# Altium PCB PIC32MZ_cam.PcbDoc (part 2 of 4)
Units mm, origin at the board's own origin, x right, y up, seen from the top; angles counter-clockwise.
Board outline 61.35 x 22.68 mm, 2 copper layers (Top Layer, Bottom Layer); 224 components, 62 nets, 1546 pads, 748 vias.
Unrouted connection lines stored in the file: 95.
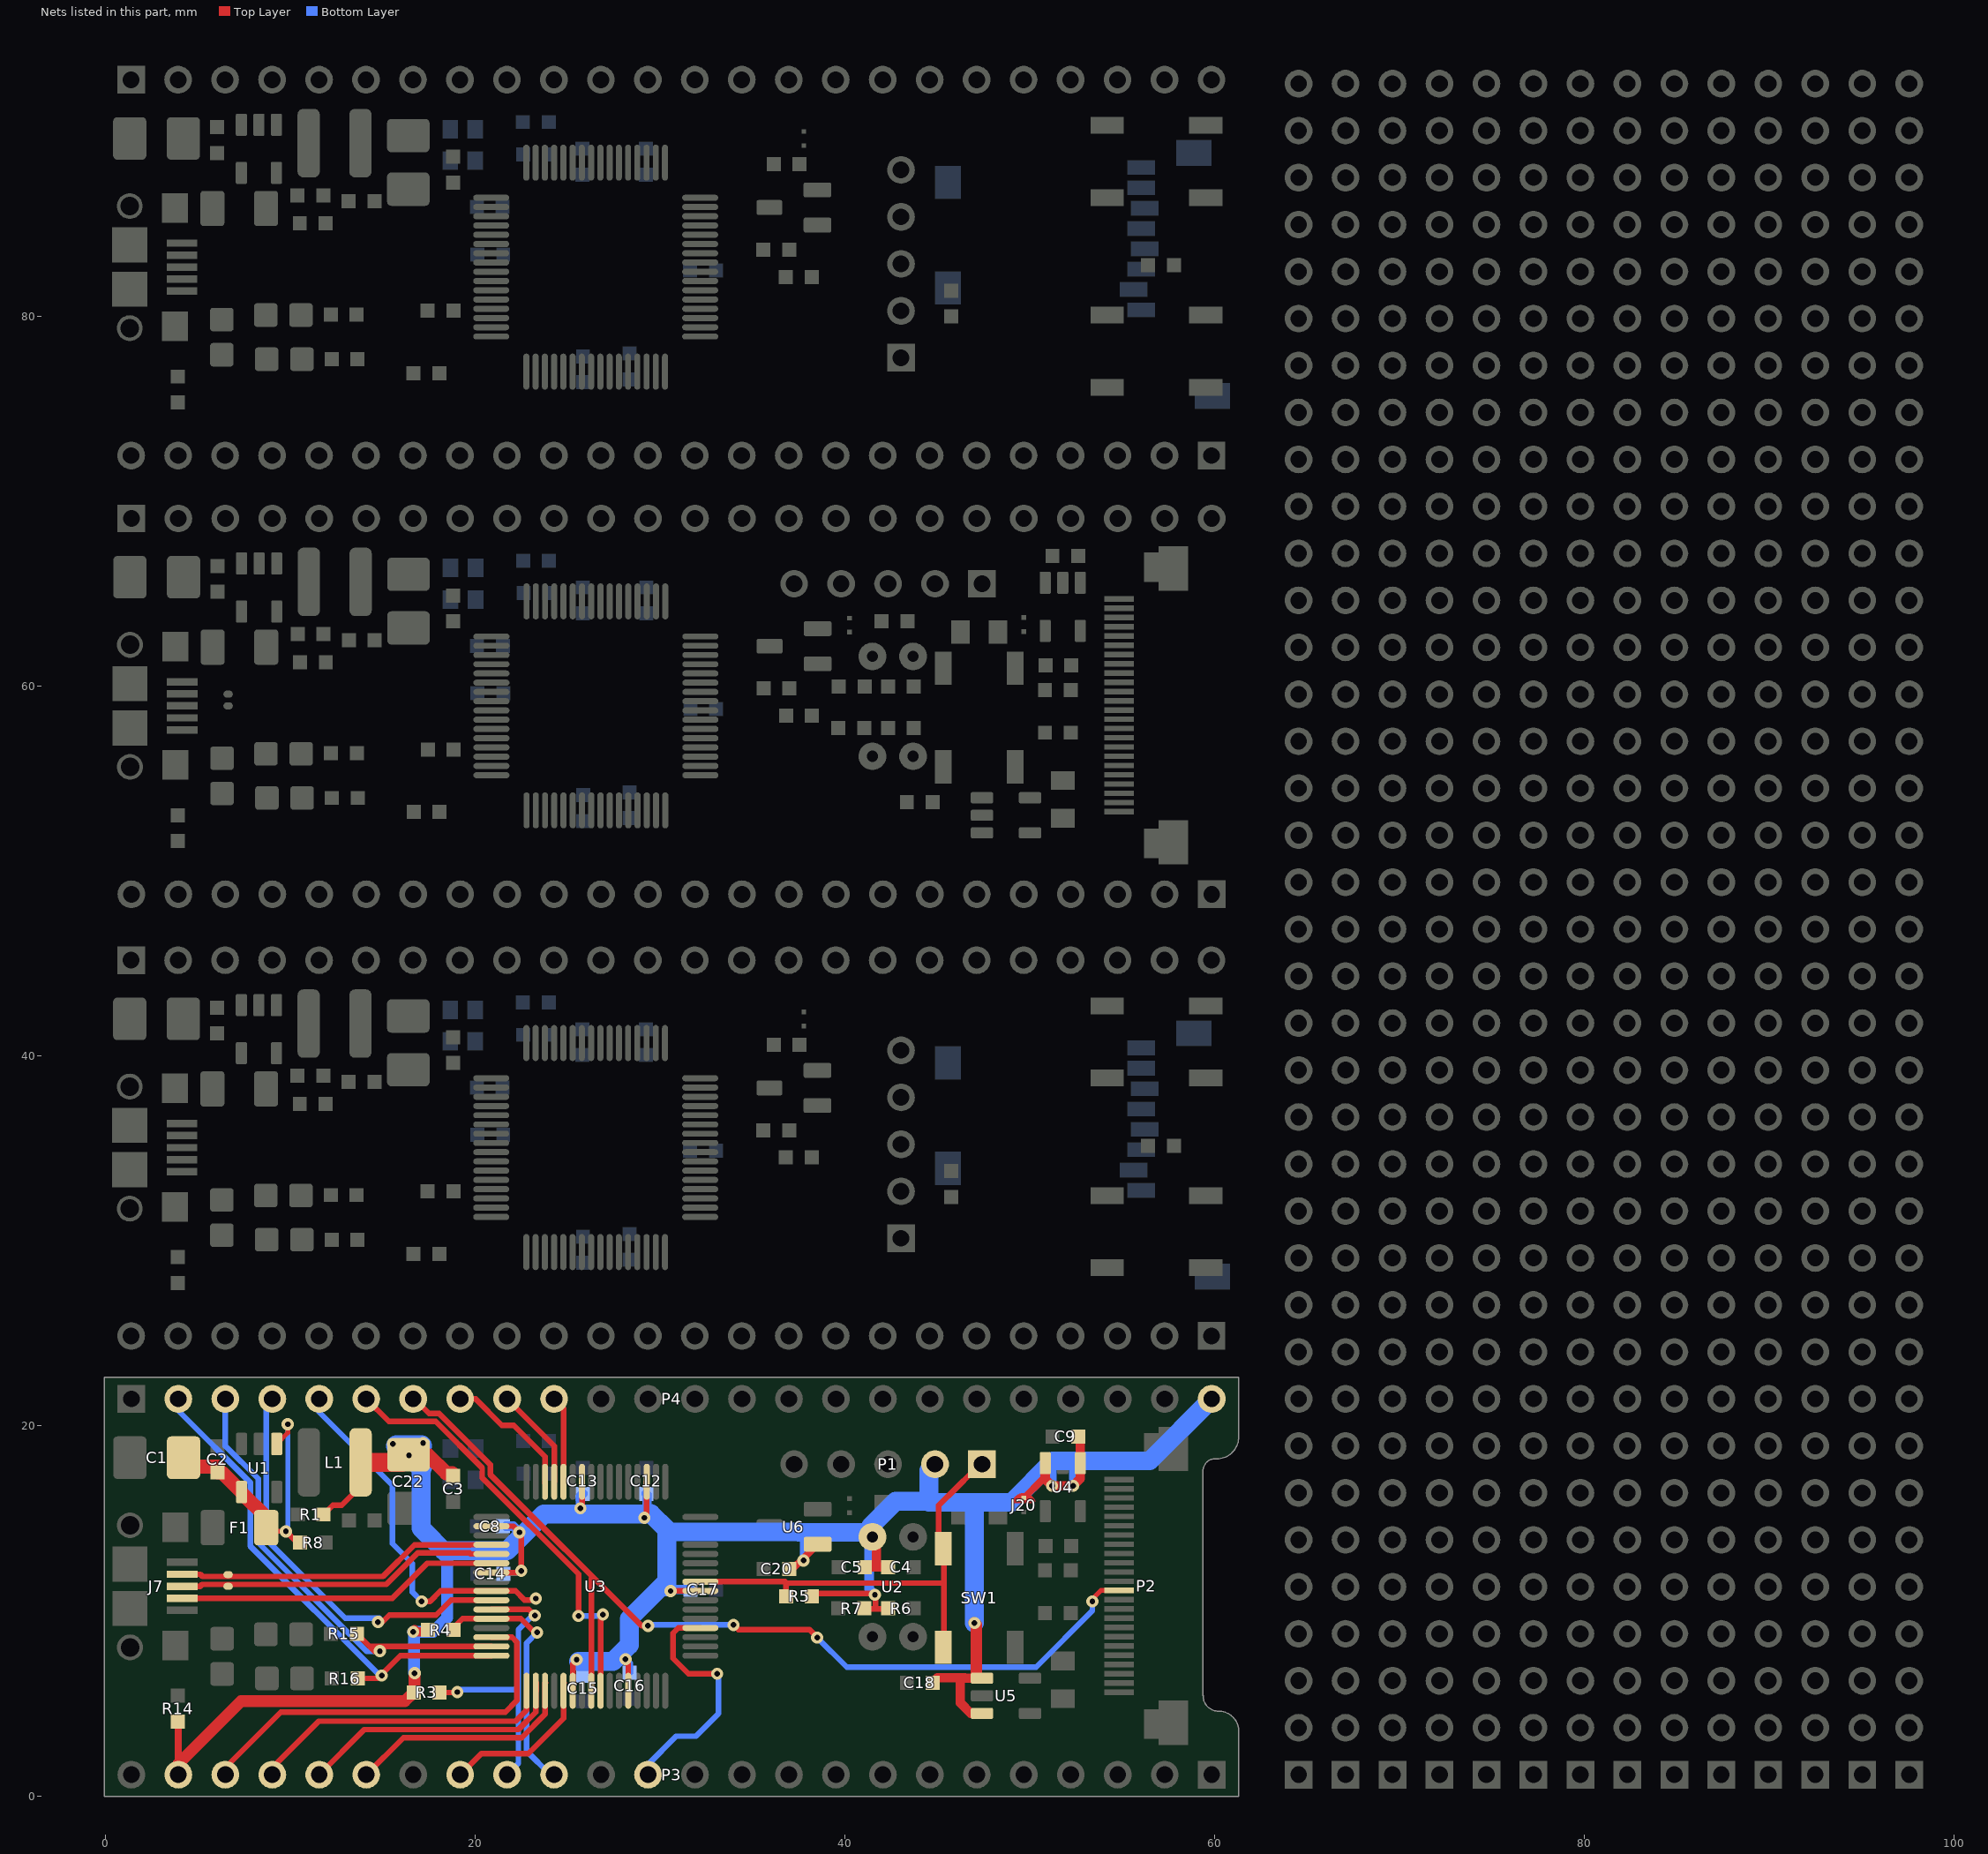
[diagram p2: the nets of this part, all layers, seen from the top]

## Via types
v1: diameter 0.635, hole 0.305, Top Layer to Bottom Layer, tented both sides, 430 vias
v2: diameter 0.66, hole 0.305, Top Layer to Bottom Layer, tented both sides, 318 vias

## Nets (pads, with @x,y where several pads share a name; then routed paths per layer and width w, separated by ;. In a path a pad name is that pad's centre, name@x,y a point inside that pad or via, vN(x,y) a via of type N, cw(c..) or ccw(c..) an arc to the next point about the centre after c; other vN are vias at no path point) (continued)
RB13: P4.10 U3.28 | length 4.8
  Top Layer w0.254: U3.28@24.793,16.902 U3.28@24.793,16.98
  Top Layer w0.305: P4.10@24.282,21.463 24.793,20.952 U3.28@24.793,16.98
RB14: P4.9 U3.29 | length 5.6
  Top Layer w0.254: U3.29@24.293,16.902 U3.29@24.293,16.98
  Top Layer w0.305: P4.9@21.742,21.463 24.293,18.912 U3.29@24.293,16.98
RB15: P4.8 U3.30 | length 7.3
  Top Layer w0.305: P4.8@19.202,21.463 20.041,21.463 21.463,20.041 22.098,20.041 23.793,18.346 U3.30@23.793,16.98 U3.30@23.793,16.902
RC13: P4.3 R15.1 U3.47 | length 25.7
  Top Layer w0.305: R15.1@13.614,8.763 14.297,8.08 ; v2(14.859,7.823) 14.554,7.823 14.297,8.08 ; U3.47@20.893,8.08 14.297,8.08
  Bottom Layer w0.305: P4.3@6.502,21.463 6.502,18.921 8.28,17.143 8.28,13.69 14.147,7.823 v2(14.859,7.823)
RC14: P4.2 R16.1 U3.48 | length 26.6
  Top Layer w0.305: 14.122,6.35 v2@14.732,6.35 ; v2(14.961,6.502) 14.961,6.579 15.962,7.58 U3.48@20.893,7.58
  Bottom Layer w0.305: P4.2@3.962,21.463 3.962,20.828 7.849,16.942 7.849,13.511 14.857,6.502 v2(14.961,6.502)
RD0: P3.22 U3.46 | length 22.3
  Top Layer w0.305: P3.22@6.502,1.143 6.502,1.524 9.5,4.521 21.641,4.521 22.276,5.156 22.276,8.306 22.002,8.58 U3.46@20.893,8.58
RD1: P3.21 U3.49 | length 16.5
  Top Layer w0.305: P3.21@9.042,1.143 9.042,1.524 11.557,4.039 22.2,4.039 22.793,4.632 U3.49@22.793,5.68
RD2: P3.20 U3.50 | length 14.7
  Top Layer w0.305: P3.20@11.582,1.143 14.021,3.581 22.353,3.581 23.293,4.521 U3.50@23.293,5.68 ; U3.50@23.318,5.68 U3.50@23.318,6.11
RD3: P3.19 U3.51 | length 12.7
  Top Layer w0.305: P3.19@14.122,1.143 16.129,3.15 22.532,3.15 23.8,4.417 23.8,6.092 U3.51@23.818,6.11
RD5: P3.17 U3.53 | length 8.8
  Top Layer w0.305: P3.17@19.202,1.143 20.345,2.286 22.89,2.286 24.79,4.187 24.79,6.082 U3.53@24.818,6.11
RD9: P3.16 R3.1 U3.43 | length 16.1
  Top Layer w0.305: R3.1@18.085,5.588 19.025,5.588 v2(19.05,5.613) ; U3.43@20.893,10.08 22.915,10.08 v2(23.241,9.754)
  Bottom Layer w0.305: v2(19.05,5.613) 19.177,5.74 22.352,5.74 ; P3.16@21.742,1.143 22.352,1.753 22.352,8.992 23.114,9.754 v2(23.241,9.754)
RD10: P3.15 R4.1 U3.44 | length 14.1
  Top Layer w0.305: R4.1@18.593,8.839 19.334,9.58 U3.44@20.893,9.58 22.475,9.58 23.216,8.839 v2(23.368,8.839)
  Bottom Layer w0.305: v2(23.368,8.839) 22.784,8.255 22.784,2.438 24.079,1.143 P3.15@24.282,1.143
REFCLKO1/XCLK: P2.13 P4.7 U3.56 | length 52.8
  Top Layer w0.254: v2(53.391,10.516) 53.391,10.541 53.34,10.592 53.852,11.104 P2.13@54.828,11.104
  Top Layer w0.305: P4.7@16.662,21.463 16.74,21.463 17.527,20.676 18.06,20.676 20.828,17.908 20.828,17.375 29.008,9.195 v2(29.362,9.195) ; U3.56@26.293,5.68 26.293,11.763 ; v2(33.985,9.246) 34.239,8.992 38.1,8.992 38.506,8.585 v2(38.506,8.56)
  Bottom Layer w0.305: v2(29.362,9.195) 29.413,9.246 v2(33.985,9.246) ; v2(38.506,8.56) 40.107,6.96 50.341,6.96 53.391,10.009 v2(53.391,10.516)
RF1: P4.6 U3.57 | length 23.6
  Top Layer w0.305: P4.6@14.122,21.463 15.342,20.244 17.882,20.244 20.396,17.729 20.396,17.196 25.603,11.989 v2(25.603,9.728) ; U3.57@26.793,5.602 U3.57@26.793,5.68 26.793,9.673 v2(26.924,9.804)
  Bottom Layer w0.305: v2(25.603,9.728) 26.899,9.728 26.924,9.754 v2(26.924,9.804)
RF4: P4.5 U3.41 | length 19.9
  Top Layer w0.305: v2(17.12,10.516) 17.577,10.516 18.141,11.08 U3.41@20.893,11.08 22.194,11.08 22.682,10.592 23.216,10.592 v2(23.292,10.668)
  Bottom Layer w0.305: P4.5@11.582,21.463 11.582,20.752 15.545,16.789 15.545,13.64 16.612,12.573 16.612,11.024 v2(17.12,10.516)
RF5: P4.4 U3.42 | length 22.5
  Top Layer w0.305: v2(14.757,9.398) 14.986,9.398 15.367,9.779 17.907,9.779 18.708,10.58 U3.42@20.893,10.58
  Bottom Layer w0.305: P4.4@9.042,21.463 8.712,21.133 8.712,13.868 12.979,9.601 14.834,9.601 14.757,9.525 v2(14.757,9.398)
RG6: P3.13 U3.4 | length 13.4
  Top Layer w0.305: U3.4@32.193,9.08 31,9.08 30.709,8.788 30.709,7.442 31.547,6.604 v2(33.096,6.604)
  Bottom Layer w0.305: P3.13@29.362,1.143 29.362,1.702 30.886,3.226 31.953,3.226 33.172,4.445 33.172,6.528 v2(33.096,6.604)
USB_N: J7.2 pad.1@6.655,11.963 U3.36 | length 17.5
  Top Layer w0.305: J7.2@4.171,11.98 5.149,11.98 5.267,11.862 15.029,11.862 16.731,13.564 19.749,13.564 19.766,13.58 U3.36@20.893,13.58
USB_P: J7.3 pad.0@6.655,11.328 U3.37 | length 17.5
  Top Layer w0.305: J7.3@4.171,11.33 5.149,11.33 5.249,11.43 15.208,11.43 16.91,13.132 19.714,13.132 19.766,13.08 U3.37@20.893,13.08
USBID: J7.4 U3.38 | length 17.5
  Top Layer w0.305: J7.4@4.171,10.68 15.531,10.68 17.431,12.58 U3.38@20.893,12.58
VCC_3.3: C3.2 C4.2 C5.2 C8.1 C9.2 C12.2 C13.2 C14.2 C15.2 C16.2 C17.2 C18.2 C20.2 C22.1 J20.2 L1.2 P1.2 P3.23 P4.24 R1.2 R3.2 R4.2 R5.1 R6.2 R7.2 R14.1 U2.2 U3.8 U3.19 U3.26 U3.34 U3.39 U3.54 U3.60 U4.1 U4.3 U5.1 U5.3 U6.1 | length 163.7
  Top Layer w0.305: R1.2@11.811,15.215 12.319,15.723 12.802,15.723 13.97,16.891 14.148,16.891 14.148,17.707 L1.2@13.821,18.034 ; U3.39@20.893,12.07 v2@22.51,12.07 ; U3.34@20.893,14.58 22.072,14.58 v2(22.403,14.249) 22.51,14.142 v2@22.51,12.09 ; U3.54@25.293,5.68 25.293,7.157 v2(25.502,7.366) ; v2(25.705,15.545) 25.793,15.633 U3.26@25.793,16.98 ; v2(28.143,7.391) 28.293,7.242 U3.60@28.293,5.68 ; v2(29.159,15.037) 29.286,15.164 29.286,16.973 U3.19@29.293,16.98 ; v2(30.582,11.074) 30.587,11.08 U3.8@32.193,11.08 ; R5.1@37.998,10.947 R5.1@38.379,10.947 ; R5.1@38.227,10.795 R5.1@38.379,10.947 ; R7.2@40.996,10.109 41.656,10.109 ; v2@41.529,10.973 v2@41.554,10.947 ; v2@41.758,10.947 v2@41.554,10.947 ; R6.2@42.316,10.109 41.656,10.109 ; R5.1@38.379,10.947 v2@41.554,10.947 ; v2@41.554,10.947 v2(41.631,10.871) 41.656,10.846 41.656,10.109
  Top Layer w0.381: R14.1@3.937,4.013 3.962,3.988 3.962,1.727 P3.23@3.962,1.143 ; C20.2@37.008,12.268 37.174,12.268 v2@37.802,12.896 ; v2(37.77,12.725) 37.77,12.838 U6.1@38.536,13.604 ; U6.1@38.713,13.477 U6.1@38.851,13.614 ; 49.452,16.082 49.767,16.082 49.812,16.126 ; J20.2@49.685,16.101 50.688,17.104
  Top Layer w0.508: v2@16.739,8.992 16.612,8.865 v2(16.662,8.865) 17.348,8.865 R4.2@17.45,8.966 ; C5.2@41.072,12.37 41.707,12.37 ; U2.2@41.496,14.003 41.707,13.792 41.707,12.37 ; C4.2@42.342,12.37 41.707,12.37 ; C18.2@44.755,6.121 45.019,6.386 46.482,6.386 ; U5.1@46.99,6.36 46.355,6.36 46.253,6.259 46.253,5.029 46.822,4.46 U5.3@47.417,4.46 ; U4.3@50.841,17.988 50.841,17.13 v2(51.206,16.764) v2(52.349,16.764) 52.741,17.155 U4.1@52.741,17.988 52.741,19.319 C9.2@52.629,19.431
  Top Layer w0.635: P3.23@3.962,1.727 7.353,5.118 16.218,5.118 R3.2@16.688,5.588 16.739,5.639 v2(16.739,6.629) ; v2(47.015,9.347) 47.117,9.246 U5.1@47.117,6.386
  Top Layer w0.762: v2(16.434,18.417) 17.473,18.417 18.44,17.45 C3.2@18.771,17.45
  Top Layer w1.016: L1.2@13.821,18.034 16.051,18.034 v2(16.434,18.417)
  Bottom Layer w0.305: C14.2@21.285,12.065 22.504,12.065 v2(22.504,12.167) ; C8.1@21.514,14.58 C8.1@21.692,14.58
  Bottom Layer w0.381: v2(28.143,7.391) 28.372,7.163 C16.2@28.372,6.655 ; 37.49,14.275 37.516,14.249 ; v2(37.77,12.725) 37.77,14.554
  Bottom Layer w0.508: C8.1@21.692,14.58 22.073,14.58 v2(22.403,14.249) ; v2(25.705,15.545) 25.705,16.205 C13.2@25.832,16.332 ; C12.2@29.261,16.332 29.312,16.281 v2@29.312,15.24 ; 30.226,11.455 30.531,11.151 C17.2@31.648,11.151 ; U2.2@41.318,13.419 41.318,11.184 v2(41.631,10.871) ; v2(51.206,16.764) 51.206,18.059 51.257,18.11 ; v2(52.349,16.764) 52.375,16.789 52.375,17.704
  Bottom Layer w0.635: v2(16.662,8.865) v2@16.713,8.865 ; v2(16.739,6.629) 16.713,6.655 v2@16.713,8.865 ; 18.491,13.081 18.491,9.627 17.729,8.865 v2@16.713,8.865 ; v2(25.502,7.366) v2@25.594,7.274
  Bottom Layer w1.016: 17.094,17.755 17.094,14.478 18.491,13.081 ; 18.313,13.259 21.742,13.259 23.724,15.24 v2@29.312,15.24 ; v2@25.594,7.274 27.467,7.274 28.346,8.153 28.346,9.576 30.226,11.455 ; v2@29.312,15.265 29.515,15.265 30.378,14.402 ; v2@30.378,11.303 30.378,14.402 ; 37.49,14.275 30.505,14.275 30.378,14.402 ; 37.516,14.249 41.072,14.249 41.021,14.199 41.3,14.199 U2.2@41.496,14.003 ; U2.2@41.427,14.605 42.748,15.926 44.552,15.926 ; P1.2@44.882,17.932 44.552,17.602 44.552,15.875 49.022,15.875 51.257,18.11 56.49,18.11 P4.24@59.842,21.463 ; v2(47.015,9.347) 47.015,15.342
  Bottom Layer w1.143: v2@15.769,18.92 v2@17.115,18.92 ; v2(16.434,18.417) 16.434,18.415 17.094,17.755
  other v2: 15.57,19.027 17.196,19.078
VUSB: C1.1 C2.2 F1.2 R8.1 U1.1 U1.4 | length 15.6
  Top Layer w0.254: F1.2@8.738,14.529 8.966,14.3 v2(9.779,14.3) F1.2@8.994,14.3 ; U1.1@9.281,19.029 9.881,19.629 v2(9.881,20.091)
  Top Layer w0.305: v2(9.779,14.3) 10.389,13.691 R8.1@10.541,13.691
  Top Layer w0.762: C1.1@4.727,17.805 C2.2@6.071,17.805 ; C2.2@6.071,17.501 6.299,17.501 7.371,16.429 U1.4@7.381,16.429 7.381,16.393 8.738,15.037 F1.2@8.738,14.529
  Bottom Layer w0.254: v2(9.779,14.3) 9.881,14.402 v2(9.881,20.091)
~MCLR: P1.1 R5.2 SW1.1 U3.9 | length 25.6
  Top Layer w0.305: U3.9@32.193,11.58 36.782,11.58 36.855,11.506 36.932,11.506 ; R5.2@36.83,10.795 36.83,11.405 36.932,11.506 ; SW1.1@45.319,13.36 45.319,13.736 45.085,13.97 45.085,15.711 45.579,16.205 45.593,16.205 47.32,17.932 P1.1@47.422,17.932 P1.1@47.422,17.551 ; 45.339,11.506 36.932,11.506 ; SW1.1@45.396,8.179 45.364,8.21 45.364,13.482 SW1.1@45.396,13.513
  Bottom Layer w0.305: P1.1@47.473,17.424 P1.1@47.473,17.653
pads on no net: C1.0 C1_1.0 C1_1.1 C1_1.2 C1_1_1.0 C1_1_1.1 C1_1_1.2 C1_2.0 C1_2.1 C1_2.2 C2_1.1 C2_1.2 C2_1_1.1 C2_1_1.2 C2_2.1 C2_2.2 C3_1.1 C3_1.2 C3_1_1.1 C3_1_1.2 C3_2.1 C3_2.2 C4_1.1 C4_1.2 C4_1_1.1 C4_1_1.2 C4_2.1 C4_2.2 C5_1.1 C5_1.2 C6_1.1 C6_1.2 C6_1_1.1 C6_1_1.2 C6_2.1 C6_2.2 C7_1.1 C7_1.2 C7_1_1.1 C7_1_1.2 C7_2.1 C7_2.2 C8_1.1 C8_1.2 C8_1_1.1 C8_1_1.2 C8_2.1 C8_2.2 C9_1.1 C9_1.2 C10_1.1 C10_1.2 C11_1.1 C11_1.2 C12_1.1 C12_1.2 C12_1_1.1 C12_1_1.2 C12_2.1 C12_2.2 C13_1.1 C13_1.2 C13_1_1.1 C13_1_1.2 C13_2.1 C13_2.2 C14_1.1 C14_1.2 C14_1_1.1 C14_1_1.2 C14_2.1 C14_2.2 C15_1.1 C15_1.2 C15_1_1.1 C15_1_1.2 C15_2.1 C15_2.2 C16_1.1 C16_1.2 C16_1_1.1 C16_1_1.2 C16_2.1 C16_2.2 C17_1.1 C17_1.2 C17_1_1.1 C17_1_1.2 C17_2.1 C17_2.2 C18_1.1 C18_1.2 C19_1.1 C19_1.2 C20_1.1 C20_1.2 C20_1_1.1 C20_1_1.2 C20_2.1 C20_2.2 C21_1.1 C21_1.2 C21_1_1.1 C21_1_1.2 C21_2.1 C21_2.2 C22.0 C22_1.0 C22_1.1 C22_1.2 C22_1_1.0 C22_1_1.1 C22_1_1.2 C22_2.0 C22_2.1 C22_2.2 C23_1.1 C23_1.2 C24_1.1 C24_1.2 F1.0 F1_1.0 F1_1.1 F1_1.2 F1_1_1.0 F1_1_1.1 F1_1_1.2 F1_2.0 F1_2.1 F1_2.2 J1.1 J1.2 J1.3 J1.4 J1.5 J1.6 J1.7 J1.8 J1.9 J1.10 J1.11 J1.12 J1_1.1 J1_1.2 J1_1.3 J1_1.4 J1_1.5 J1_1.6 J1_1.7 J1_1.8 J1_1.9 J1_1.10 J1_1.11 J1_1.12 J7_1.1 J7_1.2 J7_1.3 J7_1.4 J7_1.5 J7_1.6 J7_1.7 J7_1.8 J7_1.9 J7_1_1.1 J7_1_1.2 J7_1_1.3 J7_1_1.4 J7_1_1.5 J7_1_1.6 J7_1_1.7 J7_1_1.8 J7_1_1.9 J7_2.1 J7_2.2 J7_2.3 J7_2.4 J7_2.5 J7_2.6 J7_2.7 J7_2.8 J7_2.9 J20_1.1 J20_1.2 J21_1.1 J21_1.2 J21_1_1.1 J21_1_1.2 J21_2.1 J21_2.2 L1_1.1 L1_1.2 L1_1_1.1 L1_1_1.2 L1_2.1 L1_2.2 LED1.0 LED1_1.0 LED1_1.A LED1_1.K LED1_1_1.0 LED1_1_1.A LED1_1_1.K LED1_2.0 LED1_2.A LED1_2.K LED2.0 LED2_1.0 LED2_1.A LED2_1.K LED2_1_1.0 LED2_1_1.A LED2_1_1.K LED2_2.0 LED2_2.A LED2_2.K LED3.0 LED3_1.0 LED3_1.A LED3_1.K LED3_1_1.0 LED3_1_1.A LED3_1_1.K LED3_2.0 LED3_2.A LED3_2.K P1_1.1 P1_1.2 P1_1.3 P1_1.4 P1_1.5 P1_1_1.1 P1_1_1.2 P1_1_1.3 P1_1_1.4 P1_1_1.5 P1_2.1 P1_2.2 P1_2.3 P1_2.4 P1_2.5 P2.1 P2.23 P2.24 P2.25 P2_1.1 P2_1.2 P2_1.3 P2_1.4 P2_1.5 P2_1.6 P2_1.7 P2_1.8 P2_1.9 P2_1.10 P2_1.11 P2_1.12 P2_1.13 P2_1.14 P2_1.15 P2_1.16 P2_1.17 P2_1.18 P2_1.19 P2_1.20 P2_1.21 P2_1.22 P2_1.23 P2_1.24 P2_1.25 P3_1.1 P3_1.2 P3_1.3 P3_1.4 P3_1.5 P3_1.6 P3_1.7 P3_1.8 P3_1.9 P3_1.10 P3_1.11 P3_1.12 P3_1.13 P3_1.14 P3_1.15 P3_1.16 P3_1.17 P3_1.18 P3_1.19 P3_1.20 P3_1.21 P3_1.22 P3_1.23 P3_1.24 P3_1_1.1 P3_1_1.2 P3_1_1.3 P3_1_1.4 P3_1_1.5 P3_1_1.6 P3_1_1.7 P3_1_1.8 P3_1_1.9 P3_1_1.10 P3_1_1.11 P3_1_1.12 P3_1_1.13 P3_1_1.14 P3_1_1.15 P3_1_1.16 P3_1_1.17 P3_1_1.18 P3_1_1.19 P3_1_1.20 P3_1_1.21 P3_1_1.22 P3_1_1.23 P3_1_1.24 P3_2.1 P3_2.2 P3_2.3 P3_2.4 P3_2.5 P3_2.6 P3_2.7 P3_2.8 P3_2.9 P3_2.10 P3_2.11 P3_2.12 P3_2.13 P3_2.14 P3_2.15 P3_2.16 P3_2.17 P3_2.18 P3_2.19 P3_2.20 P3_2.21 P3_2.22 P3_2.23 P3_2.24 P4_1.1 P4_1.2 P4_1.3 P4_1.4 P4_1.5 P4_1.6 P4_1.7 P4_1.8 P4_1.9 P4_1.10 P4_1.11 P4_1.12 P4_1.13 P4_1.14 P4_1.15 P4_1.16 P4_1.17 P4_1.18 P4_1.19 P4_1.20 P4_1.21 P4_1.22 P4_1.23 P4_1.24 P4_1_1.1 P4_1_1.2 P4_1_1.3 P4_1_1.4 P4_1_1.5 P4_1_1.6 P4_1_1.7 P4_1_1.8 P4_1_1.9 P4_1_1.10 P4_1_1.11 P4_1_1.12 P4_1_1.13 P4_1_1.14 P4_1_1.15 P4_1_1.16 P4_1_1.17 P4_1_1.18 P4_1_1.19 P4_1_1.20 P4_1_1.21 P4_1_1.22 P4_1_1.23 P4_1_1.24 P4_2.1 P4_2.2 P4_2.3 P4_2.4 P4_2.5 P4_2.6 P4_2.7 P4_2.8 P4_2.9 P4_2.10 P4_2.11 P4_2.12 P4_2.13 P4_2.14 P4_2.15 P4_2.16 P4_2.17 P4_2.18 P4_2.19 P4_2.20 P4_2.21 P4_2.22 P4_2.23 P4_2.24 P30.1 P30.2 P30.3 P30.4 P30.5 P30.6 P30.7 P30.8 P30.9 P30.10 P30.11 P30.12 P30.13 P30.14 P30.15 P30.16 P30.17 P30.18 P30.19 P30.20 P30.21 P30.22 P30.23 P30.24 P30_1.1 P30_1.2 P30_1.3 P30_1.4 P30_1.5 P30_1.6 P30_1.7 P30_1.8 P30_1.9 P30_1.10 P30_1.11 P30_1.12 P30_1.13 P30_1.14 P30_1.15 P30_1.16 P30_1.17 P30_1.18 P30_1.19 P30_1.20 P30_1.21 P30_1.22 P30_1.23 P30_1.24 P30_1_1.1 P30_1_1.2 P30_1_1.3 P30_1_1.4 P30_1_1.5 P30_1_1.6 P30_1_1.7 P30_1_1.8 P30_1_1.9 P30_1_1.10 P30_1_1.11 P30_1_1.12 P30_1_1.13 P30_1_1.14 P30_1_1.15 P30_1_1.16 P30_1_1.17 P30_1_1.18 P30_1_1.19 P30_1_1.20 P30_1_1.21 P30_1_1.22 P30_1_1.23 P30_1_1.24 P30_1_1_1.1 P30_1_1_1.2 P30_1_1_1.3 P30_1_1_1.4 P30_1_1_1.5 P30_1_1_1.6 P30_1_1_1.7 P30_1_1_1.8 P30_1_1_1.9 P30_1_1_1.10 P30_1_1_1.11 P30_1_1_1.12 P30_1_1_1.13 P30_1_1_1.14 P30_1_1_1.15 P30_1_1_1.16 P30_1_1_1.17 P30_1_1_1.18 P30_1_1_1.19 P30_1_1_1.20 P30_1_1_1.21 P30_1_1_1.22 P30_1_1_1.23 P30_1_1_1.24 P30_1_1_2.1 P30_1_1_2.2 P30_1_1_2.3 P30_1_1_2.4 P30_1_1_2.5 P30_1_1_2.6 P30_1_1_2.7 P30_1_1_2.8 P30_1_1_2.9 P30_1_1_2.10 P30_1_1_2.11 P30_1_1_2.12 P30_1_1_2.13 P30_1_1_2.14 P30_1_1_2.15 P30_1_1_2.16 P30_1_1_2.17 P30_1_1_2.18 P30_1_1_2.19 P30_1_1_2.20 P30_1_1_2.21 P30_1_1_2.22 P30_1_1_2.23 P30_1_1_2.24 P30_1_2.1 P30_1_2.2 P30_1_2.3 P30_1_2.4 P30_1_2.5 P30_1_2.6 P30_1_2.7 P30_1_2.8 P30_1_2.9 P30_1_2.10 P30_1_2.11 P30_1_2.12 P30_1_2.13 P30_1_2.14 P30_1_2.15 P30_1_2.16 P30_1_2.17 P30_1_2.18 P30_1_2.19 P30_1_2.20 P30_1_2.21 P30_1_2.22 P30_1_2.23 P30_1_2.24 P30_1_2_1.1 P30_1_2_1.2 P30_1_2_1.3 P30_1_2_1.4 P30_1_2_1.5 P30_1_2_1.6 P30_1_2_1.7 P30_1_2_1.8 P30_1_2_1.9 P30_1_2_1.10 P30_1_2_1.11 P30_1_2_1.12 P30_1_2_1.13 P30_1_2_1.14 P30_1_2_1.15 P30_1_2_1.16 P30_1_2_1.17 P30_1_2_1.18 P30_1_2_1.19 P30_1_2_1.20 P30_1_2_1.21 P30_1_2_1.22 P30_1_2_1.23 P30_1_2_1.24 P30_1_3.1 P30_1_3.2 P30_1_3.3 P30_1_3.4 P30_1_3.5 P30_1_3.6 P30_1_3.7 P30_1_3.8 P30_1_3.9 P30_1_3.10 P30_1_3.11 P30_1_3.12 P30_1_3.13 P30_1_3.14 P30_1_3.15 P30_1_3.16 P30_1_3.17 P30_1_3.18 P30_1_3.19 P30_1_3.20 P30_1_3.21 P30_1_3.22 P30_1_3.23 P30_1_3.24 P30_2.1 P30_2.2 P30_2.3 P30_2.4 P30_2.5 P30_2.6 P30_2.7 P30_2.8 P30_2.9 P30_2.10 P30_2.11 P30_2.12 P30_2.13 P30_2.14 P30_2.15 P30_2.16 P30_2.17 P30_2.18 P30_2.19 P30_2.20 P30_2.21 P30_2.22 P30_2.23 P30_2.24 P30_2_1.1 P30_2_1.2 P30_2_1.3 P30_2_1.4 P30_2_1.5 P30_2_1.6 P30_2_1.7 P30_2_1.8 P30_2_1.9 P30_2_1.10 P30_2_1.11 P30_2_1.12 P30_2_1.13 P30_2_1.14 P30_2_1.15 P30_2_1.16 P30_2_1.17 P30_2_1.18 P30_2_1.19 P30_2_1.20 P30_2_1.21 P30_2_1.22 P30_2_1.23 P30_2_1.24 P30_2_2.1 P30_2_2.2 P30_2_2.3 P30_2_2.4 P30_2_2.5 P30_2_2.6 P30_2_2.7 P30_2_2.8 P30_2_2.9 P30_2_2.10 P30_2_2.11 P30_2_2.12 P30_2_2.13 P30_2_2.14 P30_2_2.15 P30_2_2.16 P30_2_2.17 P30_2_2.18 P30_2_2.19 P30_2_2.20 P30_2_2.21 P30_2_2.22 P30_2_2.23 P30_2_2.24 P30_3.1 P30_3.2 P30_3.3 P30_3.4 P30_3.5 P30_3.6 P30_3.7 P30_3.8 P30_3.9 P30_3.10 P30_3.11 P30_3.12 P30_3.13 P30_3.14 P30_3.15 P30_3.16 P30_3.17 P30_3.18 P30_3.19 P30_3.20 P30_3.21 P30_3.22 P30_3.23 P30_3.24 P30_3_1.1 P30_3_1.2 P30_3_1.3 P30_3_1.4 P30_3_1.5 P30_3_1.6 P30_3_1.7 P30_3_1.8 P30_3_1.9 P30_3_1.10 P30_3_1.11 P30_3_1.12 P30_3_1.13 P30_3_1.14 P30_3_1.15 P30_3_1.16 P30_3_1.17 P30_3_1.18 P30_3_1.19 P30_3_1.20 P30_3_1.21 P30_3_1.22 P30_3_1.23 P30_3_1.24 P30_4.1 P30_4.2 P30_4.3 P30_4.4 P30_4.5 P30_4.6 P30_4.7 P30_4.8 P30_4.9 P30_4.10 P30_4.11 P30_4.12 P30_4.13 P30_4.14 P30_4.15 P30_4.16 P30_4.17 P30_4.18 P30_4.19 P30_4.20 P30_4.21 P30_4.22 P30_4.23 P30_4.24 R1_1.1 R1_1.2 R1_1_1.1 R1_1_1.2 R1_2.1 R1_2.2 R2_1.1 R2_1.2 R2_1_1.1 R2_1_1.2 R2_2.1 R2_2.2 R3_1.1 R3_1.2 R3_1_1.1 R3_1_1.2 R3_2.1 R3_2.2 R4_1.1 R4_1.2 R4_1_1.1 R4_1_1.2 R4_2.1 R4_2.2 R5_1.1 R5_1.2 R5_1_1.1 R5_1_1.2 R5_2.1 R5_2.2 R6_1.1 R6_1.2 R6_1_1.1 R6_1_1.2 R6_2.1 R6_2.2 R7_1.1 R7_1.2 R8_1.1 R8_1.2 R8_1_1.1 R8_1_1.2 R8_2.1 R8_2.2 R14_1.1 R14_1.2 R14_1_1.1 R14_1_1.2 R14_2.1 R14_2.2 R15_1.1 R15_1.2 R15_1_1.1 R15_1_1.2 R15_2.1 R15_2.2 R16_1.1 R16_1.2 R16_1_1.1 R16_1_1.2 R16_2.1 R16_2.2 SW1_1.1 SW1_1.2 SW1_1_1.1 SW1_1_1.2 SW1_2.1 SW1_2.2 SW2.1 SW2.2 SW2_1.1 SW2_1.2 U1.0 U1_1.0 U1_1.1 U1_1.2 U1_1.3 U1_1.4 U1_1.5 U1_1_1.0 U1_1_1.1 U1_1_1.2 U1_1_1.3 U1_1_1.4 U1_1_1.5 U1_2.0 U1_2.1 U1_2.2 U1_2.3 U1_2.4 U1_2.5 U2_1.1 U2_1.2 U2_1.3 U2_1.4 U3_1.1 U3_1.2 U3_1.3 U3_1.4 U3_1.5 U3_1.6 U3_1.7 U3_1.8 U3_1.9 U3_1.10 U3_1.11 U3_1.12 U3_1.13 U3_1.14 U3_1.15 U3_1.16 U3_1.17 U3_1.18 U3_1.19 U3_1.20 U3_1.21 U3_1.22 U3_1.23 U3_1.24 U3_1.25 U3_1.26 U3_1.27 U3_1.28 U3_1.29 U3_1.30 U3_1.31 U3_1.32 U3_1.33 U3_1.34 U3_1.35 U3_1.36 U3_1.37 U3_1.38 U3_1.39 U3_1.40 U3_1.41 U3_1.42 U3_1.43 U3_1.44 U3_1.45 U3_1.46 U3_1.47 U3_1.48 U3_1.49 U3_1.50 U3_1.51 U3_1.52 U3_1.53 U3_1.54 U3_1.55 U3_1.56 U3_1.57 U3_1.58 U3_1.59 U3_1.60 U3_1.61 U3_1.62 U3_1.63 U3_1.64 U3_1_1.1 U3_1_1.2 U3_1_1.3 U3_1_1.4 U3_1_1.5 U3_1_1.6 U3_1_1.7 U3_1_1.8 U3_1_1.9 U3_1_1.10 U3_1_1.11 U3_1_1.12 U3_1_1.13 U3_1_1.14 U3_1_1.15 U3_1_1.16 U3_1_1.17 U3_1_1.18 U3_1_1.19 U3_1_1.20 U3_1_1.21 U3_1_1.22 U3_1_1.23 U3_1_1.24 U3_1_1.25 U3_1_1.26 U3_1_1.27 U3_1_1.28 U3_1_1.29 U3_1_1.30 U3_1_1.31 U3_1_1.32 U3_1_1.33 U3_1_1.34 U3_1_1.35 U3_1_1.36 U3_1_1.37 U3_1_1.38 U3_1_1.39 U3_1_1.40 U3_1_1.41 U3_1_1.42 U3_1_1.43 U3_1_1.44 U3_1_1.45 U3_1_1.46 U3_1_1.47 U3_1_1.48 U3_1_1.49 U3_1_1.50 U3_1_1.51 U3_1_1.52 U3_1_1.53 U3_1_1.54 U3_1_1.55 U3_1_1.56 U3_1_1.57 U3_1_1.58 U3_1_1.59 U3_1_1.60 U3_1_1.61 U3_1_1.62 U3_1_1.63 U3_1_1.64 U3_2.1 U3_2.2 U3_2.3 U3_2.4 U3_2.5 U3_2.6 U3_2.7 U3_2.8 U3_2.9 U3_2.10 U3_2.11 U3_2.12 U3_2.13 U3_2.14 U3_2.15 U3_2.16 U3_2.17 U3_2.18 U3_2.19 U3_2.20 U3_2.21 U3_2.22 U3_2.23 U3_2.24 U3_2.25 U3_2.26 U3_2.27 U3_2.28 U3_2.29 U3_2.30 U3_2.31 U3_2.32 U3_2.33 U3_2.34 U3_2.35 U3_2.36 U3_2.37 U3_2.38 U3_2.39 U3_2.40 U3_2.41 U3_2.42 U3_2.43 U3_2.44 U3_2.45 U3_2.46 U3_2.47 U3_2.48 U3_2.49 U3_2.50 U3_2.51 U3_2.52 U3_2.53 U3_2.54 U3_2.55 U3_2.56 U3_2.57 U3_2.58 U3_2.59 U3_2.60 U3_2.61 U3_2.62 U3_2.63 U3_2.64 U4.0 U4.4 U4_1.0 U4_1.1 U4_1.2 U4_1.3 U4_1.4 U4_1.5 U5.0 U5.4 U5_1.0 U5_1.1 U5_1.2 U5_1.3 U5_1.4 U5_1.5 U6.0 U6_1.0 U6_1.1 U6_1.2 U6_1.3 U6_1_1.0 U6_1_1.1 U6_1_1.2 U6_1_1.3 U6_2.0 U6_2.1 U6_2.2 U6_2.3 X1_1.1 X1_1.2 X1_1.3 X1_1.4 X1_1_1.1 X1_1_1.2 X1_1_1.3 X1_1_1.4 X1_2.1 X1_2.2 X1_2.3 X1_2.4